# Altium PCB PCIe_to_M2E.PcbDoc (part 2 of 6) (continued)
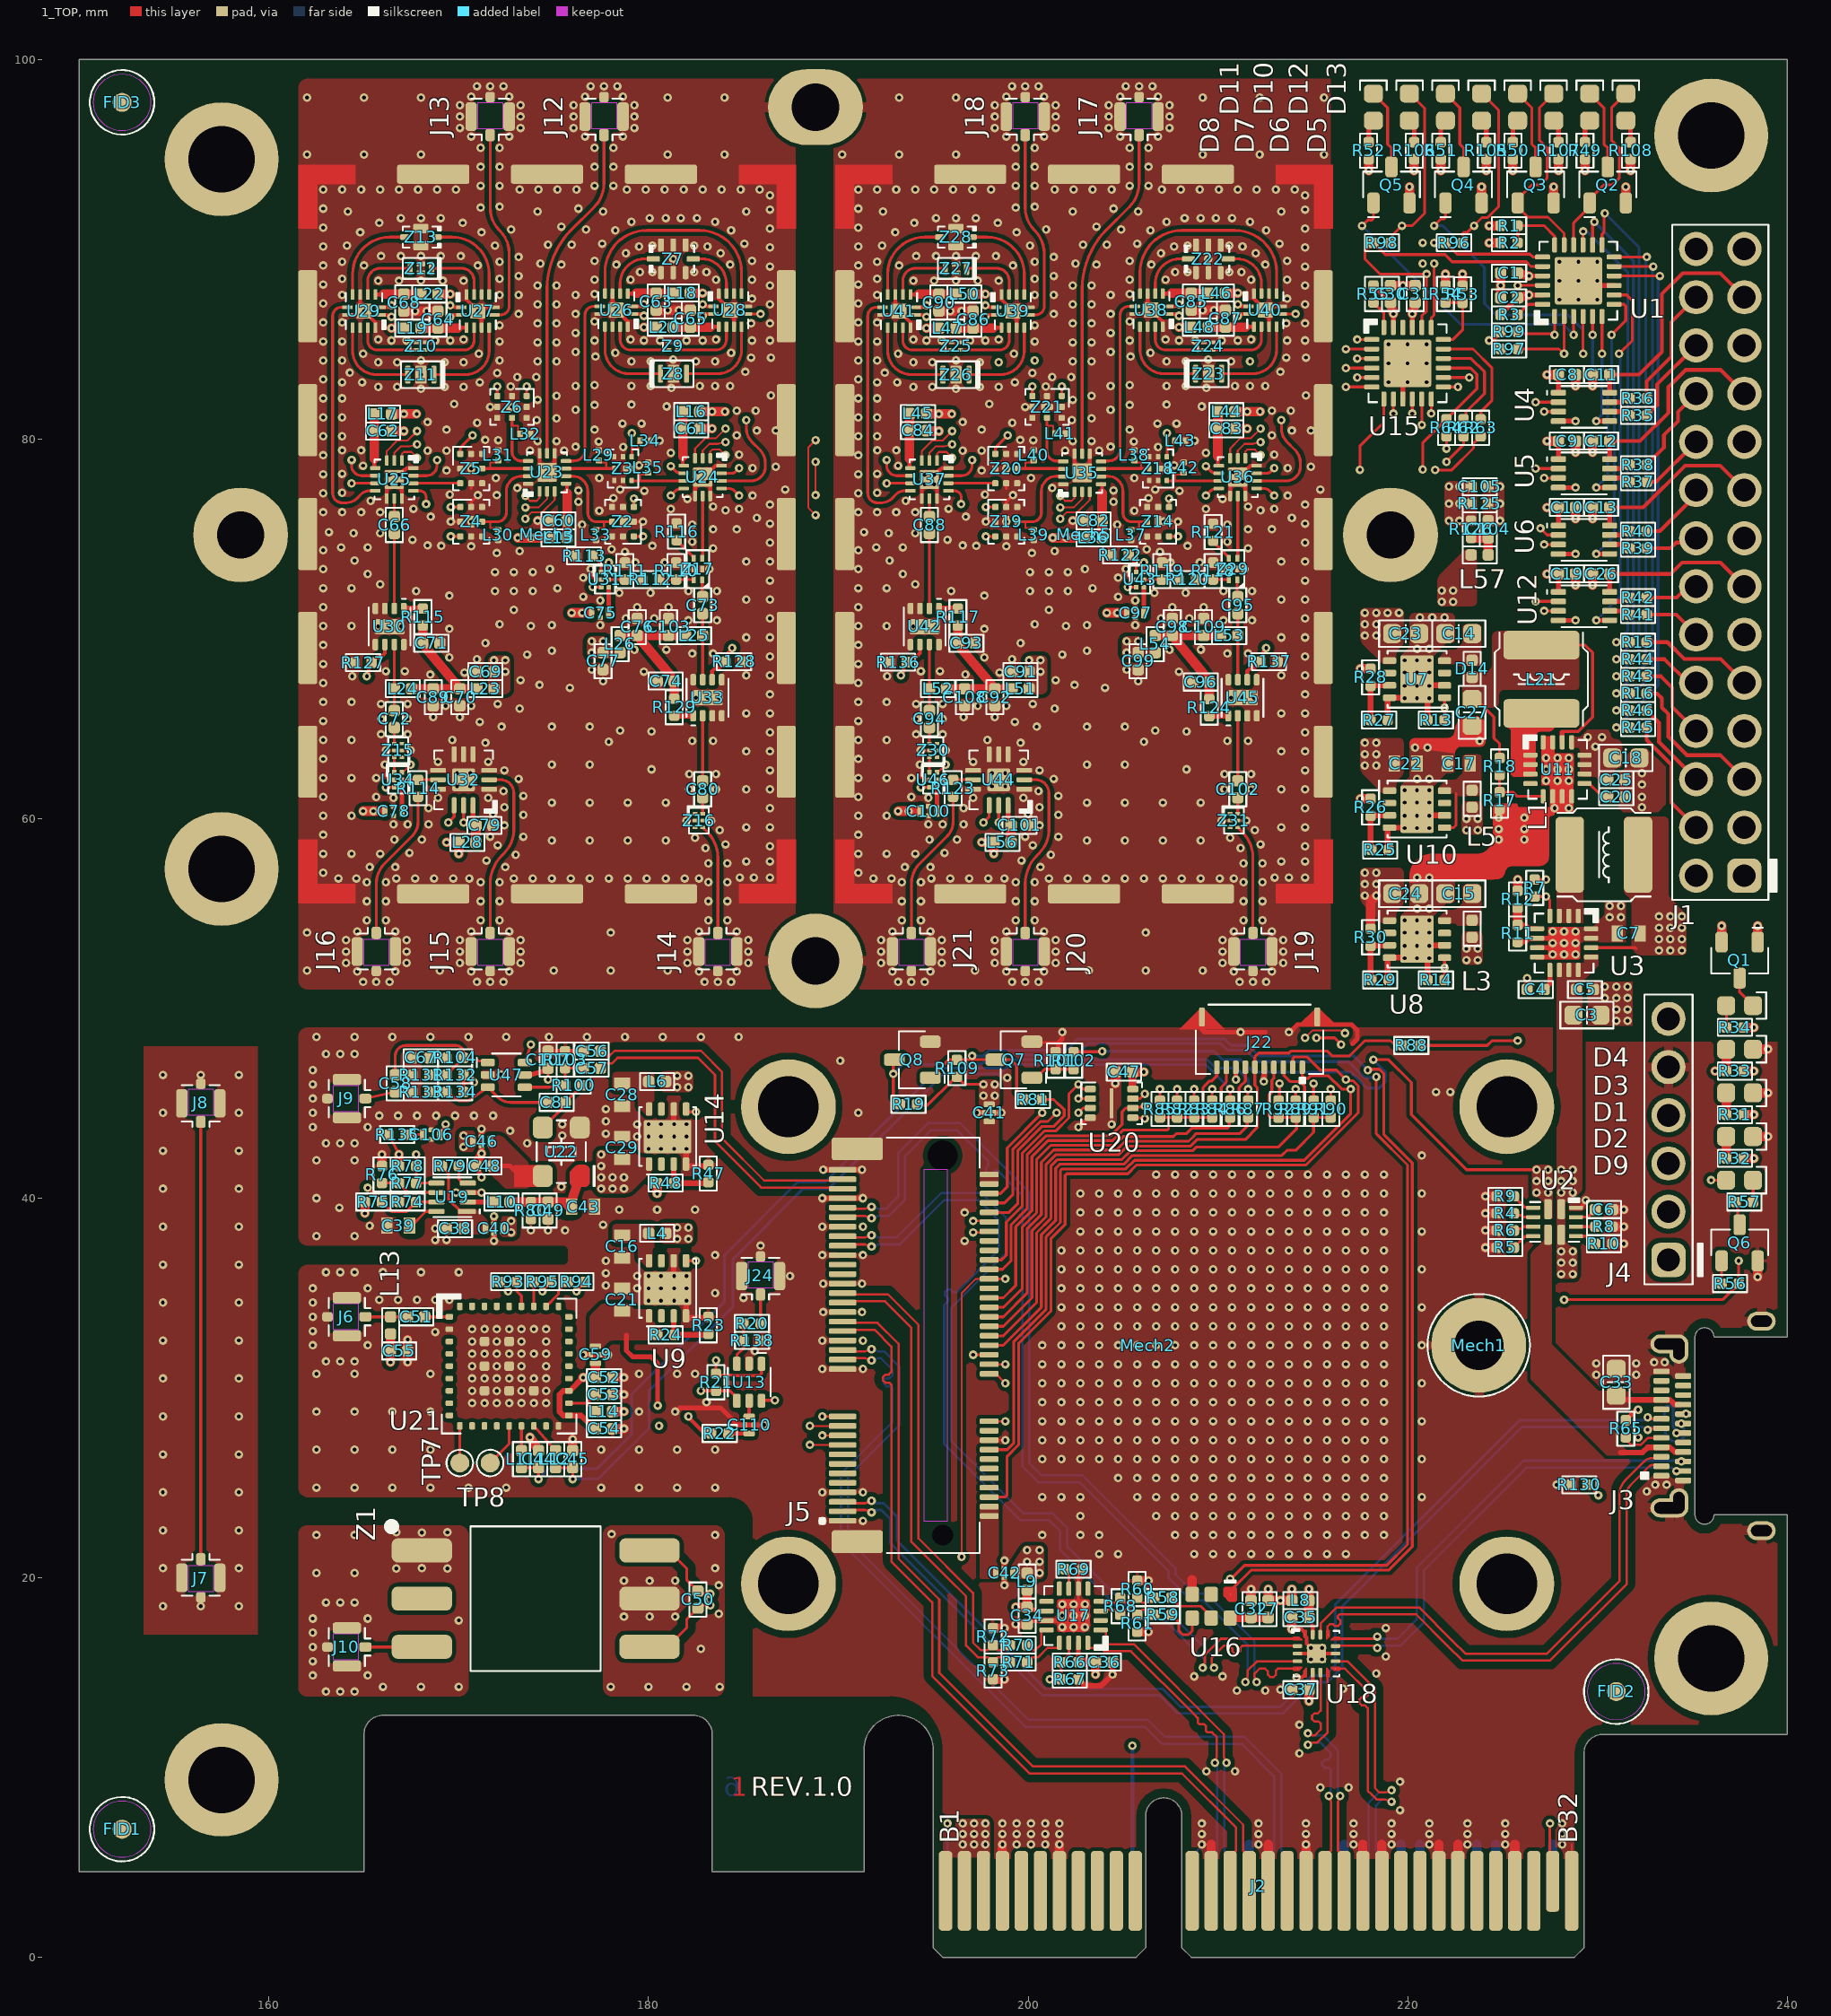
[diagram p0: 1_TOP view]
## Part data (continued)
R24 R48: library part Res-0402-3.16K-1%, "Resistor, 3.16K, 0.063W, 1%, 0402", Name=RC0402FR-073K16L
R25 R29: library part Res-0402-1.6K-1%, "Resistor, 1.6K, 0.063W, 1%, 0402", Name=RC0402FR-071K6L
R26: library part Res-0402-2K-1%, "Resistor, 2K, 0.063W, 1%, 0402", Name=RC0402FR-072KL
R27: library part Res-0402-1.24K-1%, "Resistor, 1.24K, 0.063W, 1%, 0402", Name=RC0402FR-071K24L
R56 R102: library part Res-0402-180K-1%, "Resistor, 180K, 0.063W, 1%, 0402", Name=RC0402FR-07180KL
R69: library part Res-0402-475-5%, "Resistor, 475, 0.063W, 5%, 0402", Name=RC0402FR-07475RL
R75 R78 R115 R117 R124 R129: library part Res-0402-3.32K-1%, "Resistor, 3.32K, 0.063W, 1%, 0402", Name=RC0402FR-073K32L
R110 R111 R118 R119: library part Res-0402-68-5%, "Resistor, 68, 0.063W, 5%, 0402", Name=RC0402FR-0768RL
R112 R120 R126: library part Res-0402-150-5%, "Resistor, 150, 0.063W, 5%, 0402", Name=RC0402FR-07150RL
R125: library part Res-0402-680-5%, "Resistor, 680, 0.063W, 5%, 0402", Name=RC0402FR-07680RL
R127 R128: library part Res-0402-91K-5%, "Resistor, 91K, 0.063W, 5%, 0402", Name=RC0402FR-0791KL
TP7 TP8: "Solder point, Surface, 1 mm"
U1 U15: "IC, Expander, 16-bit, 400KHZ, I2C, SMBUS, 1.65-5.5V, -40/+85, 24-WQFN (4x4)", Manufacturer=TI
U2: "IC, QR controller, 2:1, 2.8/24V, 1/4.5A, -40/+125, VQFN-12", Manufacturer="Texas Instruments"
U3 U11: "IC, DC/DC, Step-Down, 3-17/0.9-6V, 3A, -40/+85, QFN-16", Manufacturer="Texas Instruments"
U4 U5 U6 U12: "IC, Transceiver, Bidirectional, 1.1-5.5V, -40/+125, 8VSSOP", Manufacturer=TI
U7 U8 U9 U10 U14: "IC, VolReg, DC/DC, 2.5/16V, 0.8/14,6V, 0.5A, -40/+150, 8-SON", Manufacturer="Texas Instruments"
U13 U47: "IC, Single 2-input multiplexer, 1.1-5.5V, -40/+125, SOT363-2", Manufacturer=Nexperia
U16: "Oscillators, 100MHz, 2.375/3.63V, 25ppm, -40/+85, SMD", Manufacturer=ABRACON
U17: "IC, CLK BUFFRT, 2:2, 267MHz, -40/+85,   / 16-QFN", Manufacturer="Microchip Technology"
U18: "IC, MUS/DEMUX, 2:1, 12GBPS, -40/+85, 18-X2QFN", Manufacturer="Diodes Incorporated"
U19: "IC, DAC, 16-bit, 2.7-5.5V, -40/+125, WSON-8", Manufacturer=TI
U20: "IC, DRAM, 64Mb, QSPI, SDR 144MHz, 1.8V, -25/+85, USON8", Manufacturer="AP Memory"
U21: library part LG77LC, "GNSS module, GPS, GLONASS (or BeiDou), Galileo and QZSS, -40/+85, SMD", Manufacturer=Quectel
U22: "Oscillators, VCXO, 25MHz, 3.3/3.0/2.8V, 0.1ppm 0-80dc, 0/+80, SMD", Manufacturer=Taitien, Name=TXEAADSANF-25.000000
U23 U24 U25: "IC, Switch, SP6T, 5-6000MHz, -40/+85,   / 14-QFN", Manufacturer=Qorvo
U26 U27 U28 U29: "IC, Switch, SP4T, 5-6000MHz, -40/+85,   / 12-QFN", Manufacturer=Qorvo
U30 U33 U42 U45: library part QPL9547, "IC, 0.1 -6 GHz Ultra Low-Noise LNA, SON-8", Manufacturer=QORVO
U31 U34 U43 U46: "IC, RF switch, SPDT, 50Ohm -40/+85, TSLP-6-4", Manufacturer="Infineon Technologies"
U32: "IC, Digital step attenuator, -40/+105, QFN-12", Manufacturer=QORVO
U35 U36 U37: library part RFSW6062, "IC, Switch, SP6T, 5-6000MHz, -40/+85,   / 14-QFN", Manufacturer=Qorvo
U38 U39 U40 U41: library part RFSW6042, "IC, Switch, SP4T, 5-6000MHz, -40/+85,   / 12-QFN", Manufacturer=Qorvo
U44: library part QPC3223, "IC, Digital step attenuator, -40/+105, QFN-12", Manufacturer=QORVO
Z1: "Transformer, 1:2 CORE & WIRE , 0.07 - 200 MHz, 50Ω, SMD", Manufacturer=Mini-Circuits
Z2: "RF DUPLEXER, Band 7, -20/+85, SMD9", Manufacturer="TAIYO YUDEN"
Z3: library part D6DA1G842K2C4, "RF DUPLEXER, Band 3, -20/+85, SMD8", Manufacturer="TAIYO YUDEN"
Z4: "RF DUPLEXER, Band 2, -20/+85, SMD9", Manufacturer="TAIYO YUDEN"
Z5 Z20: library part D5PF942M5M3G9, "RF DUPLEXER, Band 8, -20/+85, SMD9", Manufacturer="TAIYO YUDEN"
Z6 Z21: library part D5PF876M5M3U9, "RF DUPLEXER, Band 26, -20/+85, SMD9", Manufacturer="TAIYO YUDEN"
Z7 Z22: "Filter Low Pass, 50Ohm, 400MHz, 30dB, -55/+125, SMD", Manufacturer=Mini-Circuits
Z8 Z11 Z23 Z26: "RF FILTER, 1880-2023MHZ  -40/+85, 0805", Manufacturer="TDK Corporation"
Z9 Z10 Z24 Z25: "RF FILTER, 0-1200MHZ  -40/+85, Smd", Manufacturer="Murata Electronics"
Z12 Z27: "RF FILTER, 3300-4200MHZ  -40/+85, 0603", Manufacturer="TDK Corporation"
Z13 Z28: "RF FILTER, 2300-2690MHZ  -40/+85, 0603", Manufacturer="TDK Corporation"
Z14: library part D6HL2G655DL06, "RF DUPLEXER, Band 7, -20/+85, SMD9", Manufacturer="TAIYO YUDEN"
Z15 Z16 Z30 Z31: "Filter Low Pass, 2.25GHz, 4.6dB, -40/+85, SMD", Manufacturer="TDK Corporation"
Z17 Z29: "Signal Coupler, 450-3800MHz, -40/+105, SMD", Manufacturer=TDK
Z18: library part D6DA1G842K2C7, "RF DUPLEXER, Band 3, -20/+85, SMD8", Manufacturer="TAIYO YUDEN"
Z19: library part D6PF1G960M3B6, "RF DUPLEXER, Band 2, -20/+85, SMD9", Manufacturer="TAIYO YUDEN"

## Free pads (board coordinates)
  round 6 hole 3.5 unplated paste-99 mask+0.1: MH(157.5,9.35) MH(157.5,57.35) MH(157.5,94.75) MH(236,15.75) MH(236,96)
  round 5 / inner round 3 / far side round 5 hole 2.5 unplated paste-99 mask+0.1: MH(158.5,74.95) MH(219.1,74.95)
  round 5 / inner round 3.5 / far side round 5 hole 2.5 paste-99 mask+0.1: MH(188.8,52.5)
  oval 5x4 / inner round 3.5 / far side oval 5x4 hole 2.5 paste-99 mask+0.1: MH(188.8,97.5)

## Via types
v1: diameter 0.45, hole 0.2, 1_TOP to 6_BOTTOM, tented both sides, 2680 vias

## Nets (pads, with @x,y where several pads share a name; then routed paths per layer and width w, separated by ;. In a path a pad name is that pad's centre, name@x,y a point inside that pad or via, vN(x,y) a via of type N, cw(c..) or ccw(c..) an arc to the next point about the centre after c; other vN are vias at no path point)
CAL_N: C50.2 J5.62 Z1.1 | length 35.8
  1_TOP w0.12: C50.2@182.6,19.3 182.75,19.15 v1(183.25,19.15) ; v1(197.1,38.2) 197.9,38.2 J5.62@197.95,38.25
  1_TOP w0.14: Z1.1@180.05,21.44 181.06,21.44 182,20.5 182,19.9 C50.2@182.6,19.3
  5_Signal w0.1: v1(183.25,19.15) 182.95,19.035 182.765,19.035 182.62,19.18 182.62,19.525 182.745,19.65 182.925,19.65 183,19.725 183,19.9 182.9,20 182.695,20 182.62,20.075 182.62,20.375 182.695,20.45 182.925,20.45 183,20.525 183,20.75 182.925,20.825 182.695,20.825 182.62,20.9 182.62,26.82 188.5,32.7 188.5,35.6 188.95,36.05 193.773,36.05 193.882,36.158 196.023,38.3 196.75,38.3 v1(197.1,38.2)
CAL_P: C50.1 J5.64 Z1.3 | length 35.8
  1_TOP w0.12: C50.1@182.6,18.4 182.75,18.55 v1(183.25,18.55) ; v1(197.1,38.8) 197.9,38.8 J5.64@197.95,38.75
  1_TOP w0.14: Z1.3@180.05,16.36 181.01,16.36 182,17.35 182,17.8 C50.1@182.6,18.4
  5_Signal w0.1: v1(183.25,18.55) 182.95,18.665 182.612,18.665 182.25,19.027 182.25,26.973 188.13,32.853 188.13,35.753 188.797,36.42 193.62,36.42 195.87,38.67 196.75,38.67 v1(197.1,38.8)
CFG_PCIE: Q8.3 R13.2 R19.1 R66.1 R67.2 U7.5 U17.14 U18.6 | length 111.8
  1_TOP w0.15: Q8.3@192.95,47.3 192.9,47.25 v1(192.9,46.55) 192.9,45.3 R19.1@193.25,44.95 ; v1(201.15,14.65) R67.2@201.75,14.65 R66.1@201.75,15.55 202.15,15.95 U17.14@202.15,16.575 ; v1@210.65,19.9 211.4,20.65 218.9,20.65 220,21.75 220,41.75 218.35,43.4 v1(218.35,46.4) ; R13.2@221.95,65.2 v1(221.95,65.85) U7.5@221.95,66.375
  1_TOP w0.2: v1(214.15,14.75) 214.45,14.75 214.6,14.9 U18.6@214.6,15
  3_Signal w0.1: v1(201.15,14.65) 202.55,13.25 213.25,13.25 214.15,14.15 v1(214.15,14.75) 210.65,18.25 v1@210.65,19.9 ; v1(218.35,46.4) 218.6,46.65 218.6,48.3 222.075,51.775 222.105,51.775 222.325,51.995 222.325,52.425 221.9,52.85 v1@221.9,65.8
  3_Signal w0.15: v1@221.9,65.8 v1(221.95,65.85)
  6_BOTTOM w0.15: v1(192.9,46.55) 193.4,47.05 195.146,47.05 195.196,47.1 197.6,47.1 198.05,47.55 202.55,47.55 203.15,48.15 210.15,48.15 210.5,47.8 211.5,47.8 212.1,47.2 216.884,47.2 217.734,46.35 218.3,46.35 v1(218.35,46.4)
  other v1: 210.65,19.95
CFG_USB3: Q7.3 Q8.1 R14.2 R81.2 R109.1 U8.5 U16.1 | length 74.7
  1_TOP w0.15: Q8.1@194.85,46.35 195.028,46.35 195.271,46.593 195.271,46.771 195.8,47.3 R109.1@196.25,47.3 Q7.3@198.3,47.3 199.1,47.3 199.4,47 199.4,45.6 R81.2@199.8,45.2 ; U16.1@210.65,19.125 210.65,19.3 211.75,20.4 219.004,20.4 220.25,21.646 220.25,41.854 218.75,43.354 218.75,46.566 218.516,46.8 217.95,46.8 v1(217.9,46.75) ; R14.2@221.95,51.5 v1(221.95,52.15) U8.5@221.95,52.675
  3_Signal w0.1: v1(217.9,46.75) 217.9,46.836 217.752,46.984 217.752,47.402 218.4,48.05 218.4,48.65 v1@221.9,52.15
  3_Signal w0.15: v1@221.9,52.15 v1(221.95,52.15)
  6_BOTTOM w0.15: v1(197.05,47.5) 197.646,47.5 197.946,47.8 202.025,47.8 202.625,48.4 210.35,48.4 210.7,48.05 211.604,48.05 212.154,47.5 217.15,47.5 v1(217.9,46.75)
CLK125_N: R58.2 R60.2 R68.1 U17.4 | length 3.3
  1_TOP w0.12: U17.4@203.85,18.685 204.585,18.685 R68.1@204.85,18.95 205.115,18.685 205.485,18.685 R60.2@205.75,18.95 206.015,18.685 206.385,18.685 R58.2@206.65,18.95
CLK125_P: R59.2 R61.1 R68.2 U17.3 | length 3.3
  1_TOP w0.12: U17.3@203.85,18.315 204.585,18.315 R68.2@204.85,18.05 205.115,18.315 205.485,18.315 R61.1@205.75,18.05 206.015,18.315 206.385,18.315 R59.2@206.65,18.05
EGPIO6: R40.2 U6.7 | length 1.1
  1_TOP w0.25: U6.7@230.65,74.95 231.25,74.95 R40.2@231.7,75.15
EGPIO7: R39.2 U6.6 | length 1.1
  1_TOP w0.25: U6.6@230.65,74.45 231.25,74.45 R39.2@231.7,74.25
EGPIO8: R38.2 U5.7 | length 1.1
  1_TOP w0.25: U5.7@230.65,78.45 231.25,78.45 R38.2@231.7,78.65
EGPIO9: R37.2 U5.6 | length 1.1
  1_TOP w0.25: U5.6@230.65,77.95 231.25,77.95 R37.2@231.7,77.75
EGPIO10: R36.2 U4.7 | length 1.1
  1_TOP w0.25: U4.7@230.65,81.95 231.25,81.95 R36.2@231.7,82.15
EGPIO11: R35.2 U4.6 | length 1.1
  1_TOP w0.25: U4.6@230.65,81.45 231.25,81.45 R35.2@231.7,81.25
EGPIO12: R42.2 U12.7 | length 1.1
  1_TOP w0.25: U12.7@230.65,71.45 231.25,71.45 R42.2@231.7,71.65
EGPIO13: R41.2 U12.6 | length 1.1
  1_TOP w0.25: U12.6@230.65,70.95 231.25,70.95 R41.2@231.7,70.75
EGPIO67_VCC: C13.2 J1.17 U6.8 | length 9.5
  1_TOP w0.2: C13.2@230.65,76.4 232.425,76.4 234.625,78.6 236.47,78.6 J1.17@237.75,77.32
  1_TOP w0.25: U6.8@230.65,75.45 C13.2@230.65,76.4
EGPIO89_VCC: C12.2 J1.21 U5.8 | length 10.9
  1_TOP w0.2: C12.2@230.65,79.9 232.25,79.9 233.75,81.4 233.75,82.75 234.65,83.65 236.5,83.65 J1.21@237.75,82.4
  1_TOP w0.25: U5.8@230.65,78.95 C12.2@230.65,79.9
EGPIOAB_VCC: C11.2 J1.25 U4.8 | length 12.6
  1_TOP w0.2: C11.2@230.65,83.4 232.2,83.4 233.4,84.6 233.4,87.65 234.5,88.75 236.48,88.75 J1.25@237.75,87.48
  1_TOP w0.25: U4.8@230.65,82.45 C11.2@230.65,83.4
EGPIOCD_VCC: C26.2 J1.13 U12.8 | length 8.8
  1_TOP w0.2: C26.2@230.65,72.9 233.875,72.9 234.475,73.5 236.49,73.5 J1.13@237.75,72.24
  1_TOP w0.25: U12.8@230.65,71.95 C26.2@230.65,72.9
EN_GPS: R84.2 R97.2 U1.2 U9.5 U13.6 | length 155.1
  1_TOP w0.15: U9.5@181.975,36.7 v1(182.5,36.7) ; U13.6@185.95,29.325 185.975,29.35 v1(186.65,29.35) ; R84.2@209.7,45.15 v1(209.7,45.75) ; R97.2@225.8,84.75 227.97,84.75 v1@228.22,84.5 ; v1(228.25,84.5) U1.2@228.25,86.465
  3_Signal w0.1: v1(209.7,45.75) 209.125,46.325 206.825,46.325 206.75,46.25 205.5,46.25 205.3,46.45 203.85,46.45 203.3,47 200.45,47 198.1,44.65 198.1,42.6 196.4,40.9 185.95,40.9 183.75,43.1 183.75,43.9 182.7,44.95 182.3,44.95 182.1,44.75 182.1,44.35 183.1,43.35 183.1,37.3 v1(182.5,36.7) 184.5,34.7 184.5,31.5 v1(186.65,29.35) 186.95,29.65 195.85,29.65 198.7,26.8 199.2,26.8 199.55,27.15 199.55,36.217 200.85,37.517 200.85,41.192 202.058,42.4 218.75,42.4 221,44.65 221,46.95 226.85,52.8 226.85,56.05 227.15,56.35 227.55,56.35 228.25,57.05 228.25,59.85 228.125,59.975 228.125,60.705 228.9,61.48 228.9,69.841 228.959,69.9 229.962,69.9 230.65,70.588 230.65,83.05 230.2,83.5 229.25,83.5 v1(228.25,84.5)
EN_OSC: R85.2 R99.2 U1.1 U14.5 | length 134
  1_TOP w0.15: U14.5@181.975,44.7 182.125,44.55 v1(182.5,44.55) ; R85.2@206.95,45.15 v1(206.95,45.75) ; R99.2@225.8,85.65 225.893,85.557 227.693,85.557 v1(227.75,85.5) U1.1@227.75,86.465
  3_Signal w0.1: v1(182.5,44.55) 183.4,43.65 183.4,42.85 185.6,40.65 196.85,40.65 ; v1(206.95,45.75) 206.92,45.75 206.67,46 205.45,46 205.15,45.7 204.78,45.7 204.755,45.675 204.275,45.675 203.15,46.8 200.65,46.8 199.05,45.2 199.05,42.85 196.85,40.65 ; v1(227.75,85.5) 227.75,84.25 228.8,83.2 230.05,83.2 230.35,82.9 230.35,71.4 229.85,70.9 228.77,70.9 227.75,69.88 227.75,64.2 226.925,63.375 226.925,63.045 226.95,63.02 226.95,62.78 226.925,62.755 226.925,62.445 226.95,62.42 226.95,62.18 226.925,62.155 226.925,61.845 226.95,61.82 226.95,57.5 226.25,56.8 226.25,53 220.4,47.15 220.4,44.833 218.367,42.8 201.85,42.8 200.45,41.4 200.45,38.15 198.25,35.95 198.25,32.75 199.25,31.75 199.25,28 198.95,27.7 198.65,27.7 196.65,29.7 196.65,36.9 197.75,38 197.75,39.75 196.85,40.65
EN_RFE: R128.2 U15.14 U33.6 | length 51.7
  1_TOP w0.15: U15.14@221.885,83.25 v1(223.25,83.25)
  1_TOP w0.2: U33.6@183.35,67.325 183.35,67.775 183.55,67.975 183.75,67.975 R128.2@184.05,68.275 184.202,68.427 184.202,68.734 184.4,68.932 v1(184.4,69)
  3_Signal w0.1: v1(184.4,69) 185.554,69 185.729,69.175 187.163,69.175 188.788,67.55 191.65,67.55 192.25,68.15 193.2,68.15 193.4,68.35 196.9,68.35 197.5,68.95 198.45,68.95 199.275,69.775 202.155,69.775 202.725,70.345 202.725,70.355 203.885,71.515 203.885,72.885 205.9,74.9 206.65,74.9 207.025,75.275 208.225,75.275 208.35,75.4 209.365,75.4 209.64,75.125 210.945,75.125 211.535,75.716 212.916,75.716 216.95,79.75 220.85,79.75 222,80.9 222,82.63 222.62,83.25 v1(223.25,83.25)
EN_RFE2: R137.2 U15.7 U45.6 | length 18.2
  1_TOP w0.15: v1(217.491,78.391) 217.491,79.641 218.75,80.9 U15.7@218.75,82.115
  1_TOP w0.2: U45.6@211.55,67.325 211.55,67.775 211.75,67.975 211.95,67.975 R137.2@212.25,68.275 212.402,68.427 212.402,68.784 212.55,68.932 v1(212.55,69)
  3_Signal w0.1: v1(212.55,69) 212.55,71.55 214.175,73.175 214.755,73.175 215.9,74.32 215.9,76.754 216.175,77.029 216.175,77.075 v1(217.491,78.391)
EN_RFE_LNA: R127.2 U15.12 U30.6 | length 72.8
  1_TOP w0.15: v1(221.25,81.35) U15.12@221.25,82.115
  1_TOP w0.2: v1@165.248,67.666 165.248,68.073 R127.2@165.4,68.225 165.7,68.525 165.9,68.525 166.1,68.725 U30.6@166.1,69.175
  3_Signal w0.1: v1(165.15,67.5) 165.9,68.25 166.8,68.25 171,72.45 172.916,72.45 173.325,72.859 173.325,72.991 174.534,74.2 174.8,74.2 175.3,74.7 178.5,74.7 178.696,74.504 178.862,74.504 179.416,73.95 181.983,73.95 182.083,73.85 184.416,73.85 184.566,74 186.9,74 187.6,73.3 187.6,71.35 190.2,68.75 193.95,68.75 194.15,68.55 195.5,68.55 196.55,69.6 197.95,69.6 199.8,71.45 201.75,71.45 201.9,71.6 202.266,71.6 204.708,74.042 204.708,74.978 205.076,75.346 205.076,76.232 205.445,76.6 205.99,76.6 206.065,76.525 206.505,76.525 207.28,77.3 207.5,77.3 207.6,77.4 207.6,77.43 207.82,77.65 209.74,77.65 210.015,77.375 212.375,77.375 212.6,77.6 214.48,77.6 215.275,78.395 215.275,78.475 216.8,80 220.53,80 221.25,80.72 v1(221.25,81.35)
EN_RFE_LNA2: R136.2 U15.13 U42.6 | length 41.8
  1_TOP w0.15: U15.13@221.885,82.75 v1(222.65,82.75)
  1_TOP w0.2: v1(193.3,67.55) 193.3,67.618 193.448,67.766 193.448,68.098 R136.2@193.6,68.25 ; R136.2@193.6,68.225 193.9,68.525 194.1,68.525 194.3,68.725 U42.6@194.3,69.175
  3_Signal w0.1: v1(193.3,67.55) 193.9,68.15 196.257,68.15 196.282,68.125 198.123,68.125 198.873,68.875 200.225,68.875 200.925,69.575 203.005,69.575 203.603,70.173 203.603,70.951 204.1,71.447 204.1,72.7 205.05,73.65 205.975,74.575 206.405,74.575 206.565,74.415 206.785,74.415 206.795,74.425 207.105,74.425 207.325,74.205 207.325,74.109 207.434,74 208.555,74 208.78,74.225 211.045,74.225 211.63,74.81 212.94,74.81 213.342,75.212 213.342,75.823 213.77,76.25 217.02,79.5 221.25,79.5 222.65,80.9 v1(222.65,82.75)
EXTREF_N: C56.2 J5.73 | length 17.9
  1_TOP w0.12: C56.2@177.45,47.75 177.495,47.75 177.76,47.485 177.93,47.485 178.215,47.77 182.753,47.77 183.87,46.653 183.87,43.153 186.088,40.935 190.16,40.935 J5.73@190.225,41
EXTREF_P: C57.2 J5.71 | length 17.9
  1_TOP w0.12: C57.2@177.45,46.85 177.495,46.85 177.76,47.115 178.083,47.115 178.368,47.4 182.6,47.4 183.5,46.5 183.5,43 185.935,40.565 190.16,40.565 J5.71@190.225,40.5
FGCP8: R64.2 R82.2 U31.6 U34.6 U43.6 U46.6 | length 138.9
  1_TOP w0.1: U34.6@167,62.45 167.05,62.45 v1(167.45,62.85) ; U46.6@195.2,62.45 195.25,62.45 v1(195.65,62.85)
  1_TOP w0.15: U31.6@177.9,73 v1(177.9,73.5) ; U43.6@206.1,73 v1(206.1,73.5) ; R82.2@207.85,45.15 v1(207.85,45.75) ; v1(222.05,79.5) R64.2@222.05,80.15
  3_Signal w0.1: v1(167.45,62.85) 168.15,63.55 168.15,65.45 169.4,66.7 173.25,66.7 174.35,67.8 174.35,71.95 176.15,73.75 177.65,73.75 v1(177.9,73.5) 177.55,73.15 177.55,72.15 177,71.6 177,70.4 176.45,69.85 176.45,67.3 177,66.75 179.65,66.75 181.025,68.125 183.9,68.125 184.075,67.95 186.65,67.95 187.125,67.475 190.95,63.65 192.95,63.65 194.2,62.4 195.3,62.4 196.225,63.325 196.225,65.505 196.45,65.73 196.45,65.9 197.25,66.7 201.55,66.7 202.35,67.5 204.32,67.5 205.045,68.225 205.205,68.225 206.65,69.67 206.65,70.2 206.2,70.65 206.2,73.5 206.8,73.5 207.2,73.1 209.3,73.1 210,73.8 212.35,73.8 213.6,75.05 214.65,75.05 215.375,75.775 215.375,76.795 215.555,76.975 215.775,77.195 215.775,77.775 217.25,79.25 221.8,79.25 v1(222.05,79.5) 223.15,78.4 223.15,76.495 222.805,76.15 221.975,76.15 221.762,75.937 221.762,73.838 220.024,72.1 217.301,72.1 216.15,70.949 216.15,49.533 216.125,49.508 216.125,46.525 216.325,46.325 216.325,45.595 216.005,45.275 209.575,45.275 209.2,45.65 209.2,45.83 208.905,46.125 208.595,46.125 208.225,45.755 207.855,45.755 v1(207.85,45.75)
FGCP12: R63.2 R92.2 U32.11 U44.11 | length 116.6
  1_TOP w0.15: v1(170.25,59.8) U32.11@170.25,60.705 ; v1(198.45,59.8) U44.11@198.45,60.705 ; R92.2@213.25,45.15 v1@213.25,46.1 ; v1(221.45,78.375) 222.325,78.375 223.475,79.525 223.475,79.775 R63.2@223.85,80.15
  3_Signal w0.1: v1(170.25,59.8) 171.1,60.65 171.7,60.65 171.95,60.9 171.95,61.75 172.25,62.05 172.5,62.05 172.9,62.45 172.9,63.45 175.1,65.65 178.57,65.65 180.37,63.85 180.4,63.85 181.075,63.175 186.245,63.175 186.495,62.925 188.525,62.925 190.2,61.25 190.2,59.2 190.75,58.65 193.65,58.65 194.3,59.3 198.05,59.3 199.4,60.65 200,60.65 200.15,60.8 200.15,61.65 200.55,62.05 200.7,62.05 202.15,63.5 208.4,63.5 209.6,64.7 212.35,64.7 212.95,65.3 212.95,70.62 213.725,71.395 213.725,72.205 214.445,72.925 214.825,72.925 216.2,74.3 216.2,76.25 218.75,78.8 221.35,78.8 221.45,78.7 v1(221.45,78.375) 221.45,77.275 221.25,77.075 221.25,74.15 219.8,72.7 217.05,72.7 215.65,71.3 215.65,47.6 214.375,46.325 213.842,46.325 213.632,46.115 213.315,46.115 v1(213.25,46.05)
FGCP13: R62.2 R91.2 U32.10 U44.10 | length 114.6
  1_TOP w0.15: v1(169.45,59.8) 169.75,60.1 U32.10@169.75,60.705 ; v1(197.65,59.8) 197.95,60.1 U44.10@197.95,60.705 ; R91.2@215.05,45.15 v1@215.05,46.1 ; v1(222.05,78.8) 222.95,79.7 R62.2@222.95,80.15
  3_Signal w0.1: v1(169.45,59.8) 170.2,60.55 170.45,60.55 171.3,61.4 171.3,62.05 172,62.75 172,63.05 174.95,66 179.7,66 181.15,64.55 185.4,64.55 186,63.95 189.95,63.95 190.5,63.4 190.5,60.15 191,59.65 191.35,59.65 191.7,59.3 193.6,59.3 194.4,60.1 197.45,60.1 v1@197.75,59.8 ; v1(197.65,59.8) v1@197.75,59.8 ; v1(215.05,46.05) 215.9,46.9 215.9,71.123 217.177,72.4 219.9,72.4 221.55,74.05 221.55,76.8 221.738,76.988 221.738,77.763 222.05,78.075 v1(222.05,78.8) 221.8,79.05 217.5,79.05 215.975,77.525 215.975,77.112 215.65,76.787 215.65,75.05 214.65,74.05 214.5,74.05 212.1,71.65 212.1,70.68 212.175,70.605 212.175,70.295 212.1,70.22 212.1,68.4 211.8,68.1 210.4,68.1 208.4,66.1 203.35,66.1 200.2,62.95 200.2,62.65 199.3,61.75 199.3,61.35 v1@197.75,59.8
GCP0: U15.5 U27.2 U29.2 U39.2 U41.2 | length 60.3
  1_TOP w0.15: v1(217.35,83.25) U15.5@218.115,83.25
  1_TOP w0.2: U29.2@165.875,86.95 v1@166.282,86.95 ; v1(169.55,86.45) 169.618,86.45 169.718,86.55 U27.2@170.125,86.55 ; U41.2@194.075,86.95 194.4,86.95 v1(194.65,87.05) ; v1@197.918,86.55 U39.2@198.325,86.55
  3_Signal w0.1: v1(166.45,87.05) 166.517,87.05 166.717,87.25 168.4,87.25 169.2,86.45 170.6,86.45 170.75,86.3 171.15,86.3 171.3,86.45 172.3,86.45 173.15,85.6 175.411,85.6 175.911,85.1 176.4,85.1 176.75,84.75 177.65,84.75 177.95,85.05 178.35,85.05 178.9,84.5 181,84.5 181.15,84.65 181.5,84.65 181.65,84.5 182.75,84.5 182.95,84.3 182.95,83.95 183.2,83.7 184.4,83.7 185,83.1 185.35,83.1 185.65,83.4 187,83.4 190.25,86.65 192.4,86.65 192.875,87.125 193.762,87.125 193.837,87.05 194.745,87.05 194.882,87.188 197.013,87.188 v1(197.75,86.45) ; v1@197.85,86.45 198.9,86.45 199.05,86.3 199.84,86.3 199.915,86.375 200.675,86.375 201.45,85.6 203.711,85.6 204.211,85.1 204.7,85.1 205.05,84.75 205.95,84.75 206.25,85.05 206.6,85.05 207.15,84.5 209.133,84.5 209.283,84.65 209.8,84.65 209.95,84.5 211.05,84.5 211.3,84.25 211.3,83.9 211.675,83.525 212.775,83.525 213.2,83.1 213.65,83.1 213.85,83.3 217.3,83.3 v1(217.35,83.25)
GCP1: U15.4 U27.1 U39.1 | length 55.8
  1_TOP w0.15: v1(216.75,83.75) U15.4@218.115,83.75
  1_TOP w0.2: v1(169.55,87.05) 169.8,86.95 U27.1@170.125,86.95 ; v1(197.75,87.05) 198,86.95 U39.1@198.325,86.95
  3_Signal w0.1: v1(169.55,87.05) 170.6,87.05 170.75,87.2 173.35,87.2 173.95,86.6 175.5,86.6 176,86.1 176.4,86.1 176.8,85.7 178.05,85.7 178.95,84.8 180.85,84.8 181.05,85 181.575,85 181.775,84.8 183.4,84.8 184.1,84.1 184.8,84.1 184.975,83.925 185.255,83.925 185.43,83.75 186.5,83.75 190.35,87.6 191.35,87.6 191.8,87.15 192.35,87.15 193.05,87.85 195.7,87.85 196.112,87.438 197.363,87.438 v1(197.75,87.05) ; v1@197.8,87.1 197.85,87.05 198.9,87.05 199.05,87.2 201.65,87.2 202.25,86.6 203.8,86.6 204.3,86.1 204.7,86.1 205.1,85.7 206.25,85.7 207.15,84.8 209.15,84.8 209.35,85 209.75,85 209.95,84.8 211.125,84.8 211.5,84.425 211.5,84.025 211.775,83.75 212.6,83.75 212.775,83.925 213.7,83.925 213.875,83.75 v1(216.75,83.75)
  other v1: 211.7,84.1
GCP3: U15.6 U29.1 U41.1 | length 58.7
  1_TOP w0.15: v1(216.75,82.75) U15.6@218.115,82.75
  1_TOP w0.2: U29.1@165.875,86.55 166.2,86.55 v1(166.45,86.45) ; U41.1@194.075,86.55 194.4,86.55 v1(194.65,86.45)
  3_Signal w0.1: v1(166.45,86.45) 166.925,85.975 168.675,85.975 169,85.65 170.85,85.65 171.9,84.6 172.65,84.6 173.6,83.65 174.875,83.65 175.05,83.475 177.25,83.475 178.4,82.325 183.225,82.325 183.3,82.4 185.65,82.4 186.1,82.85 187.9,82.85 189.7,84.65 192.638,84.65 193.075,85.088 193.212,85.088 194.575,86.45 v1(194.65,86.45) ; v1@194.7,86.4 194.75,86.45 195.05,86.15 195.25,85.95 195.475,85.95 196.2,85.225 196.2,85 196.6,84.6 197.9,84.6 v1(198.45,84.05) 198.45,84.025 198.65,83.825 199.475,83.825 199.794,84.144 200.344,84.144 v1(200.35,84.15) 200.356,84.144 201.406,84.144 201.875,83.675 202.925,83.675 204.375,82.225 208.525,82.225 208.65,82.1 211.25,82.1 211.55,82.4 214.05,82.4 214.4,82.75 v1(216.75,82.75)
GCP4: U15.2 U26.2 U28.2 U38.2 U40.2 | length 49
  1_TOP w0.15: v1(216.75,84.75) U15.2@218.115,84.75
  1_TOP w0.2: U26.2@179.175,87 179.582,87 179.682,87.1 v1(179.75,87.1) ; v1@183.018,86.6 U28.2@183.425,86.6 ; U38.2@207.375,87 207.7,87 v1(207.95,87.1) ; v1@211.218,86.6 U40.2@211.625,86.6
  3_Signal w0.1: v1(179.75,87.1) 180.622,87.1 180.772,87.25 181.778,87.25 182.475,86.553 182.797,86.553 v1(182.85,86.5) 184.2,87.85 185.65,87.85 185.9,87.6 186.85,87.6 190.9,91.65 191.35,91.65 191.45,91.55 192.65,91.55 193.3,92.2 198.3,92.2 199.05,91.45 201.25,91.45 201.95,90.75 203.12,90.75 205.02,88.85 206,88.85 206.45,88.4 206.45,88.275 207.198,87.527 207.523,87.527 v1(207.95,87.1) 208.963,87.1 209.038,87.175 210.375,87.175 v1(211.05,86.5) ; v1@211.15,86.5 211.67,86.5 213.195,88.025 214.1,88.025 214.425,87.7 215.8,87.7 216.75,86.75 v1(216.75,84.75)
GCP5: U15.3 U26.1 U38.1 | length 45.6
  1_TOP w0.15: v1(217.35,84.25) U15.3@218.115,84.25
  1_TOP w0.2: U26.1@179.175,86.6 179.5,86.6 v1(179.75,86.5) ; U38.1@207.375,86.6 207.7,86.6 v1(207.95,86.5)
  3_Signal w0.1: v1(179.75,86.5) 180.55,85.7 184.2,85.7 185.15,84.75 186.6,84.75 190.45,88.6 191.5,88.6 191.8,88.9 192.4,88.9 193.7,90.2 197.55,90.2 197.85,89.9 197.85,89.45 198.1,89.2 198.62,89.2 199.77,88.05 201.75,88.05 202.2,87.6 203.8,87.6 204.3,87.1 205.55,87.1 206.4,86.25 207,86.25 207.25,86.5 208.05,86.5 208.85,85.7 210.4,85.7 210.575,85.525 210.845,85.525 210.945,85.625 211.967,85.625 212.405,85.187 213.063,85.187 213.5,84.75 216.2,84.75 216.7,84.25 v1(217.35,84.25)
GCP7: U15.1 U28.1 U40.1 | length 44.5
  1_TOP w0.15: v1(217.35,85.25) U15.1@218.115,85.25
  1_TOP w0.2: v1(182.85,87.1) 183.1,87 U28.1@183.425,87 ; v1(211.05,87.1) 211.118,87.1 211.218,87 U40.1@211.625,87
  3_Signal w0.1: v1(182.85,87.1) 184.6,88.85 185.95,88.85 186.2,88.6 186.8,88.6 190.75,92.55 198.45,92.55 199.2,91.8 201.4,91.8 201.6,91.6 203.5,91.6 203.525,91.575 203.755,91.575 206.125,89.205 206.125,89.008 206.65,88.483 206.65,88.47 207.095,88.025 207.485,88.025 207.81,88.35 209.8,88.35 v1(211.05,87.1) ; v1@211.15,87.1 211.75,87.1 213.5,88.85 214.25,88.85 214.5,88.6 215.4,88.6 217.35,86.65 v1(217.35,85.25)
GCP8: R64.1 U15.15 U47.6 | length 83.6
  1_TOP w0.15: U47.6@173.475,47.15 v1(173.8,48.1) ; v1(220.8,78.4) 220.8,79.8 R64.1@222.05,81.05 223.65,82.65 223.65,83.416 223.316,83.75 U15.15@221.885,83.75
  3_Signal w0.1: v1(173.8,48.1) 185.15,48.1 185.35,48.3 202.287,48.3 202.537,48.55 210.666,48.55 210.866,48.35 213.97,48.35 215.4,49.78 215.4,71.75 216.05,72.4 216.05,73.2 216.5,73.65 216.5,76.15 218.75,78.4 v1(220.8,78.4)
GCP9: U15.8 U23.3 U24.3 U25.3 U35.3 U36.3 U37.3 | length 111.5
  1_TOP w0.1: U25.3@166.2,78.875 166.2,79.375 166.75,79.925 167.3,79.925 v1(167.8,80.425) ; v1(173.5,75.8) 173.85,76.15 174.4,76.15 175.05,76.8 U23.3@175.05,77.25 ; U24.3@182.45,79 182.45,79.5 183,80.05 183.55,80.05 v1(184.05,80.55) ; v1(188.8,76) 188.425,76.375 188.425,79.575 v1(188.8,79.95) ; U37.3@194.4,78.875 194.4,79.375 194.95,79.925 195.5,79.925 v1(196,80.425) ; v1(201.7,75.8) 202.05,76.15 202.6,76.15 203.25,76.8 U35.3@203.25,77.25 ; U36.3@210.65,79 210.65,79.5 211.2,80.05 211.75,80.05 v1(212.25,80.55)
  1_TOP w0.15: v1(219.25,81.35) U15.8@219.25,82.115
  3_Signal w0.1: v1(173.5,75.8) 172.7,75.8 170.725,73.825 167.825,73.825 167.15,74.5 167.15,75 167.3,75.15 167.3,76.113 167.236,76.178 167.236,76.488 167.35,76.603 167.35,78.25 167.05,78.55 167.05,79.75 167.725,80.425 v1(167.8,80.425) 168.825,80.425 169.205,80.045 170.255,80.045 170.875,79.425 172.9,79.425 173.325,79 174.15,79 174.65,79.5 174.65,80.15 174.85,80.35 176.275,80.35 176.85,80.925 177.85,80.925 179.025,79.75 179.5,79.75 180.2,80.45 181.125,80.45 181.625,79.95 183.45,79.95 v1(184.05,80.55) 184.075,80.575 184.825,80.575 185.45,79.95 v1(188.8,79.95) 189.625,80.775 193.353,80.775 193.378,80.8 195.625,80.8 195.975,80.45 196.9,80.45 197.25,80.1 198.45,80.1 199.125,79.425 201.244,79.425 202.275,80.456 203.68,80.456 204.1,80.875 206.345,80.875 206.67,81.2 208.25,81.2 208.875,80.575 210.075,80.575 210.5,81 211.8,81 v1(212.25,80.55) 212.275,80.575 213.175,80.575 213.75,80 215,80 216.35,81.35 v1(219.25,81.35) ; v1@188.75,76 188.75,72.7 190.75,70.7 193.05,70.7 195.05,72.7 199.2,72.7 199.997,73.497 200.228,73.497 200.844,74.114 200.844,74.944 v1(201.7,75.8)
GCP10: U15.10 U23.2 U24.2 U25.2 U35.2 U36.2 U37.2 | length 100.3
  1_TOP w0.1: U25.2@166.6,78.875 166.6,79.275 166.95,79.625 167.4,79.625 v1(167.8,79.725) ; v1(173.5,76.4) 174.2,76.4 174.65,76.85 U23.2@174.65,77.25 ; U24.2@182.85,79 182.85,79.4 183.2,79.75 183.65,79.75 v1(184.05,79.85) ; v1(188.8,77.05) v1(188.8,78.8) ; U37.2@194.8,78.875 194.8,79.275 195.15,79.625 195.6,79.625 v1(196,79.725) ; v1(201.7,76.4) 202.4,76.4 202.85,76.85 U35.2@202.85,77.25 ; U36.2@211.05,79 211.05,79.4 211.4,79.75 211.85,79.75 v1(212.25,79.85)
  1_TOP w0.15: v1(220.25,81.35) U15.10@220.25,82.115
  3_Signal w0.1: v1(173.5,76.4) 170.8,76.4 169.7,77.5 168.6,77.5 167.35,78.75 167.35,79.275 v1(167.8,79.725) 168.075,80 168.75,80 168.975,79.775 170.175,79.775 170.925,79.025 172.85,79.025 173.225,78.65 176.2,78.65 176.425,78.875 178.575,78.875 179.25,78.2 179.925,78.2 180.55,78.825 180.55,79.3 180.975,79.725 181.525,79.725 181.7,79.55 183.75,79.55 v1(184.05,79.85) 184.4,79.85 184.693,79.557 188.043,79.557 v1(188.8,78.8) 190.525,80.525 191.675,80.525 191.676,80.526 193.524,80.526 194,80.05 195.675,80.05 v1(196,79.725) 196.275,80 197.05,80 197.275,79.775 197.875,79.775 197.95,79.7 197.95,78.775 199.125,77.6 199.97,77.6 199.995,77.575 200.6,77.575 201.925,78.9 204.45,78.9 205,79.45 205.751,79.45 206.258,79.957 207.009,79.957 207.016,79.95 207.685,79.95 207.735,80 208.25,80 208.55,80.3 208.93,80.3 209.38,79.85 v1(212.25,79.85) 212.3,79.8 215.15,79.8 216.3,80.95 219.85,80.95 v1(220.25,81.35) ; v1(188.8,77.05) 189.6,76.25 189.6,72.9 190.9,71.6 192.75,71.6 194.45,73.3 198.45,73.3 199.45,74.3 199.45,74.6 201.25,76.4 v1(201.7,76.4)